# Altium PCB Main.PcbDoc (part 2 of 5)
Units mm, origin at the board's own origin, x right, y up, seen from the top; angles counter-clockwise.
Board outline 150.25 x 70.25 mm, 2 copper layers (Top Layer, Bottom Layer); 122 components, 135 nets, 595 pads, 384 vias.
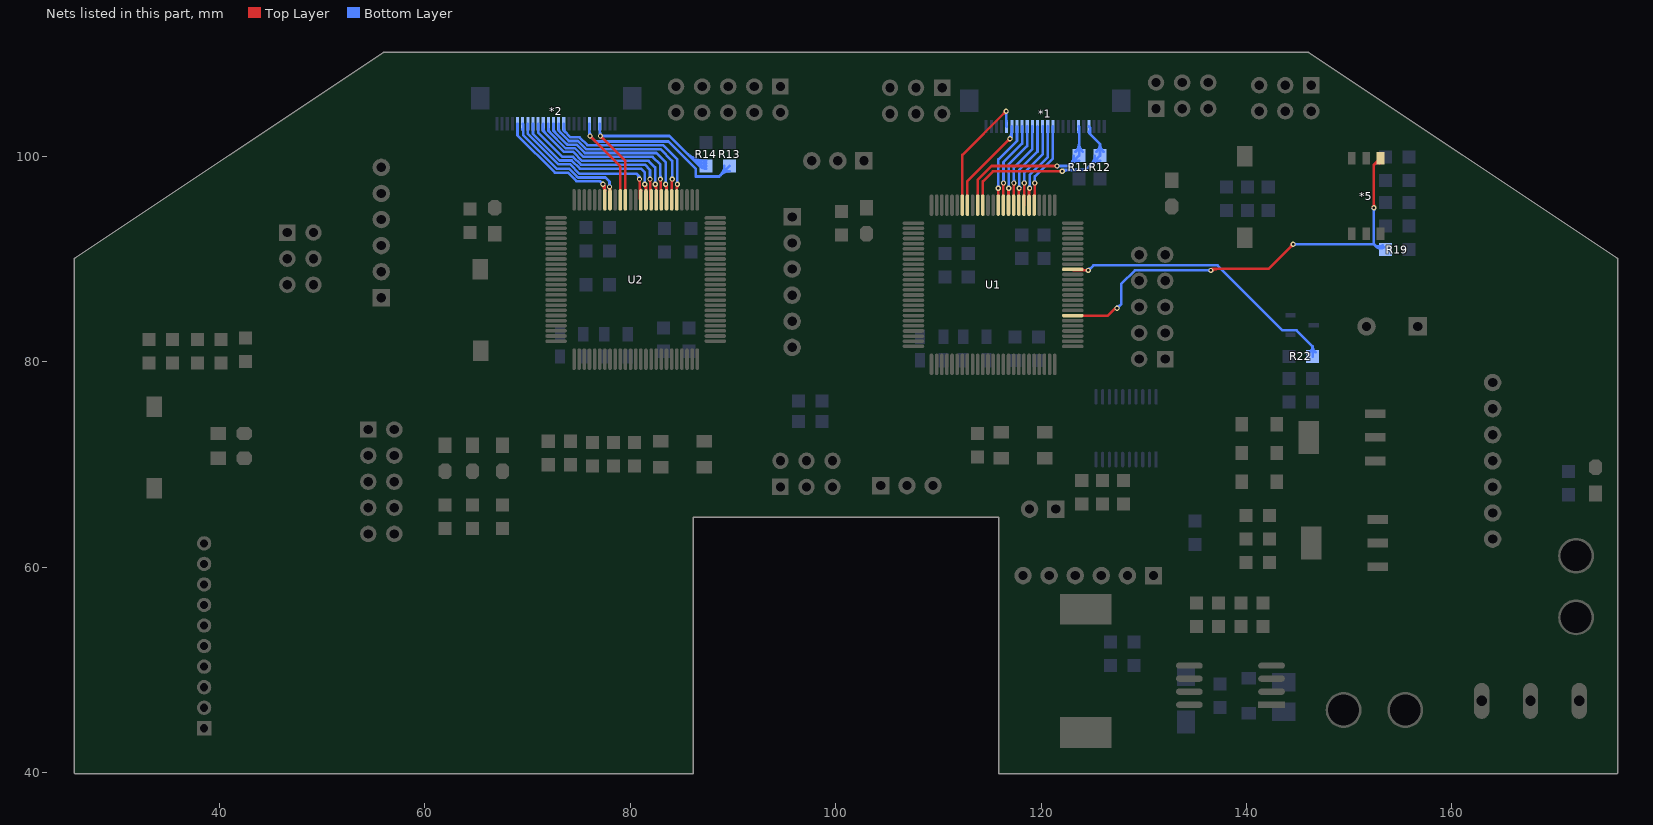
[diagram p2: the nets of this part, all layers, seen from the top]

## Via types
v1: diameter 0.508, hole 0.254, Top Layer to Bottom Layer, tented both sides, 206 vias
v2: diameter 0.508, hole 0.381, Top Layer to Bottom Layer, tented both sides, 164 vias
v3: diameter 0.762, hole 0.508, Top Layer to Bottom Layer, tented both sides, 11 vias
v4: diameter 4.5, hole 4, Top Layer to Bottom Layer, tented both sides, 3 vias

## Nets (pads, with @x,y where several pads share a name; then routed paths per layer and width w, separated by ;. In a path a pad name is that pad's centre, name@x,y a point inside that pad or via, vN(x,y) a via of type N, cw(c..) or ccw(c..) an arc to the next point about the centre after c; other vN are vias at no path point) (continued)
BUZ_A: R22.1 U1.66 | length 30.9
  Top Layer w0.254: U1.66@123.074,89.003 123.172,88.905 124.116,88.905 ; U1.66@123.956,88.955 cw(c123.982,88.762) 124.121,88.9 ; U1.66@123.957,88.956 cw(c123.987,88.777) 124.116,88.905 ; U1.66@123.983,89.037 ccw(c124.314,89.368) 124.314,88.9 ; v1@124.497,88.81 ccw(c124.28,88.593) 124.28,88.9 ccw(c124.28,89.207) v1@124.497,88.99 ; v1(124.587,88.9) 124.121,88.9 ; 124.116,88.905 124.121,88.9
  Bottom Layer w0.254: v1(124.587,88.9) 125.084,89.397 137.171,89.397 143.5,83.068 144.866,83.068 146.431,81.503 ; v1@124.587,89.027 ccw(c124.587,89.334) 124.804,89.117 ccw(c125.021,88.9) v1@124.714,88.9 ; R22.1@146.136,80.932 ccw(c145.73,81.503) 146.431,81.503 ; R22.1@146.431,80.518 146.431,81.503 ; R22.1@146.726,80.932 cw(c147.132,81.503) 146.431,81.503
CAM_A_D0: *1.14 U1.80 | length 9.6
  Top Layer w0.254: U1.80@119.288,96.164 ccw(c119.065,96.387) 119.38,96.387 ; v1@119.29,97.319 cw(c119.073,97.102) 119.38,97.102 cw(c119.687,97.102) v1@119.47,97.319 ; U1.80@119.322,95.255 119.38,95.314 v1(119.38,97.409)
  Bottom Layer w0.254: v1@119.29,97.499 ccw(c119.073,97.716) 119.38,97.716 ccw(c119.687,97.716) v1@119.47,97.499 ; v1(119.38,97.409) 119.38,98.044 121.146,99.81 *1.14@121.146,102.913
CAM_A_D1: *1.13 U1.81 | length 9.3
  Top Layer w0.254: U1.81@118.822,95.255 118.822,96.851 v1(118.872,96.901) ; 118.822,96.473 cw(c119.3,96.473) v1@118.962,96.811
  Bottom Layer w0.254: v1@118.782,96.991 ccw(c118.565,97.208) 118.872,97.208 ccw(c119.179,97.208) v1@118.962,96.991 ; v1(118.872,96.901) 118.872,98.171 120.646,99.945 *1.13@120.646,102.913
CAM_A_D2: *1.12 U1.82 | length 9.2
  Top Layer w0.254: U1.82@118.322,95.255 118.337,95.271 118.337,97.382 v1(118.364,97.409) ; 118.337,97.037 cw(c118.736,97.037) v1@118.454,97.319
  Bottom Layer w0.254: v1@118.274,97.499 ccw(c118.057,97.716) 118.364,97.716 ccw(c118.671,97.716) v1@118.454,97.499 ; v1(118.364,97.409) 118.364,98.425 120.146,100.207 *1.12@120.146,102.913
CAM_A_D3: *1.11 U1.83 | length 9.2
  Top Layer w0.254: U1.83@117.822,95.255 117.822,96.867 v1(117.856,96.901) ; 117.822,96.511 cw(c118.246,96.511) v1@117.946,96.811
  Bottom Layer w0.254: v1@117.766,96.991 ccw(c117.549,97.208) 117.856,97.208 ccw(c118.163,97.208) v1@117.946,96.991 ; v1(117.856,96.901) 117.856,98.679 119.646,100.469 *1.11@119.646,102.913
CAM_A_D4: *1.10 U1.84 | length 9.2
  Top Layer w0.254: U1.84@117.322,95.255 117.322,97.383 v1(117.348,97.409) ; 117.322,97.039 cw(c117.718,97.039) v1@117.438,97.319
  Bottom Layer w0.254: v1@117.258,97.499 ccw(c117.041,97.716) 117.348,97.716 ccw(c117.655,97.716) v1@117.438,97.499 ; v1(117.348,97.409) 117.348,98.933 119.146,100.731 *1.10@119.146,102.913
CAM_A_D5: *1.9 U1.85 | length 9.4
  Top Layer w0.254: v1@116.75,96.811 cw(c116.578,96.639) 116.822,96.639 ; U1.85@116.822,95.255 116.822,96.883 v1(116.84,96.901) ; 116.822,96.55 cw(c117.191,96.55) v1@116.93,96.811
  Bottom Layer w0.254: v1@116.75,96.991 ccw(c116.533,97.208) 116.84,97.208 ccw(c117.147,97.208) v1@116.93,96.991 ; v1(116.84,96.901) 116.84,99.187 118.646,100.993 *1.9@118.646,102.913
CAM_A_D6: *1.8 U1.86 | length 9.4
  Top Layer w0.254: v1@116.242,97.319 cw(c116.05,97.127) 116.322,97.127 ; U1.86@116.322,95.255 116.322,97.399 v1(116.332,97.409) ; 116.322,97.077 cw(c116.664,97.077) v1@116.422,97.319
  Bottom Layer w0.254: v1@116.242,97.499 ccw(c116.025,97.716) 116.332,97.716 ccw(c116.639,97.716) v1@116.422,97.499 ; v1(116.332,97.409) 116.332,99.441 118.146,101.255 *1.8@118.146,102.913
CAM_A_D7: *1.7 U1.87 | length 9.4
  Top Layer w0.254: v1@115.734,96.811 cw(c115.523,96.6) 115.822,96.6 ; U1.87@115.822,95.255 115.822,96.899 v1(115.824,96.901) ; 115.822,96.589 cw(c116.136,96.589) v1@115.914,96.811
  Bottom Layer w0.254: v1@115.734,96.991 ccw(c115.517,97.208) 115.824,97.208 ccw(c116.131,97.208) v1@115.914,96.991 ; v1(115.824,96.901) 115.824,99.695 117.646,101.517 *1.7@117.646,102.913
CAM_B_D0: *2.14 U2.80 | length 18.1
  Top Layer w0.254: U2.80@84.524,95.763 84.524,97.224 v1(84.582,97.282) ; 84.524,96.834 cw(c85.03,96.834) v1@84.672,97.192
  Bottom Layer w0.254: *2.14@73.521,103.167 73.521,102.501 74.168,101.854 75.057,101.854 75.819,101.092 83.185,101.092 84.582,99.695 v1(84.582,97.282) ; *2.14@73.544,102.667 ccw(c74,102.667) 73.678,102.344 ; v1@84.492,97.372 ccw(c84.275,97.589) 84.582,97.589 ccw(c84.889,97.589) v1@84.672,97.372
CAM_B_D1: *2.13 U2.81 | length 18
  Top Layer w0.254: U2.81@84.024,95.763 84.024,97.74 v1(84.074,97.79) ; 84.024,97.362 cw(c84.502,97.362) v1@84.164,97.7
  Bottom Layer w0.254: *2.13@73.021,103.167 73.021,102.5 74.021,101.5 74.903,101.5 75.692,100.711 82.931,100.711 84.074,99.568 v1(84.074,97.79) ; *2.13@73.044,102.667 ccw(c73.502,102.667) 73.178,102.343 ; v1@83.984,97.88 ccw(c83.767,98.097) 84.074,98.097 ccw(c84.381,98.097) v1@84.164,97.88
CAM_B_D2: *2.12 U2.82 | length 17.9
  Top Layer w0.254: v1@83.349,97.192 cw(c82.928,96.771) U2.82@83.524,96.771 ; v1(83.439,97.282) 83.524,97.197 U2.82@83.524,95.763
  Bottom Layer w0.254: *2.12@72.521,103.167 72.521,102.485 73.787,101.219 73.802,101.219 73.875,101.146 74.749,101.146 75.565,100.33 82.55,100.33 83.439,99.441 v1(83.439,97.282) ; *2.12@72.544,102.667 ccw(c73.039,102.667) 72.689,102.317 ; v1@83.349,97.372 ccw(c83.132,97.589) 83.439,97.589 ccw(c83.746,97.589) v1@83.529,97.372
CAM_B_D3: *2.11 U2.83 | length 18.1
  Top Layer w0.254: v1@82.841,97.7 cw(c82.559,97.418) 82.958,97.418 ; v1(82.931,97.79) 82.804,97.79 82.958,97.636 82.958,95.829 U2.83@83.024,95.763 ; 82.958,96.913 ccw(c83.298,96.913) U2.83@83.058,96.672
  Bottom Layer w0.254: *2.11@72.021,103.167 72.021,102.484 73.713,100.792 74.595,100.792 75.438,99.949 82.169,99.949 82.931,99.187 v1(82.931,97.79) ; *2.11@72.044,102.667 ccw(c72.54,102.667) 72.189,102.316 ; v1@82.841,97.88 ccw(c82.624,98.097) 82.931,98.097 ccw(c83.238,98.097) v1@83.021,97.88
CAM_B_D4: *2.10 U2.84 | length 17.7
  Top Layer w0.254: v1@82.333,97.192 cw(c81.874,96.733) U2.84@82.524,96.733 ; v1(82.423,97.282) 82.524,97.181 U2.84@82.524,95.763
  Bottom Layer w0.254: *2.10@71.521,103.167 71.498,103.144 71.498,102.492 73.552,100.438 74.448,100.438 75.318,99.568 81.788,99.568 82.423,98.933 v1(82.423,97.282) ; *2.10@71.544,102.667 ccw(c72.078,102.667) 71.7,102.29 ; v1@82.333,97.372 ccw(c82.116,97.589) 82.423,97.589 ccw(c82.73,97.589) v1@82.513,97.372
CAM_B_D5: *2.9 U2.85 | length 17.3
  Top Layer w0.254: v1@81.825,97.7 cw(c81.543,97.418) 81.942,97.418 ; v1(81.915,97.79) 81.942,97.763 81.942,95.845 U2.85@82.024,95.763 ; 81.942,96.951 ccw(c82.336,96.951) U2.85@82.058,96.672
  Bottom Layer w0.254: *2.9@71.021,103.167 71.021,102.334 73.406,99.949 74.437,99.949 75.199,99.187 81.407,99.187 81.915,98.679 v1(81.915,97.79) ; v1@81.825,97.88 ccw(c81.608,98.097) 81.915,98.097 ccw(c82.222,98.097) v1@82.005,97.88
CAM_B_D6: *2.8 U2.86 | length 17.2
  Top Layer w0.254: v1@81.317,97.192 cw(c80.819,96.694) U2.86@81.524,96.694 ; v1(81.407,97.282) 81.524,97.165 U2.86@81.524,95.763
  Bottom Layer w0.254: *2.8@70.521,103.167 70.521,102.199 73.125,99.595 74.29,99.595 75.079,98.806 81.026,98.806 81.407,98.425 v1(81.407,97.282) ; v1@81.317,97.372 ccw(c81.1,97.589) 81.407,97.589 ccw(c81.714,97.589) v1@81.497,97.372
CAM_B_D7: *2.7 U2.87 | length 17.1
  Top Layer w0.254: v1@80.809,97.7 cw(c80.527,97.418) 80.926,97.418 ; v1(80.899,97.79) 80.926,97.763 80.926,95.861 U2.87@81.024,95.763 ; 80.926,96.99 ccw(c81.375,96.99) U2.87@81.058,96.672
  Bottom Layer w0.254: *2.7@70.021,103.167 70.021,102.191 72.971,99.241 74.114,99.241 75.057,98.298 80.645,98.298 ; v1@80.776,97.821 ccw(c80.292,97.945) 80.645,98.298 ; v1(80.899,97.79) 80.899,98.044 80.645,98.298
CAM_PCL_A: *1.21 R12.2 U1.90 | length 23.6
  Top Layer w0.254: U1.90@114.322,95.255 114.322,97.558 115.316,98.552 v1(122.047,98.552) ; v1@121.957,98.462 ccw(c121.74,98.245) 121.74,98.552 ccw(c121.74,98.859) v1@121.957,98.642
  Bottom Layer w0.254: v1(122.047,98.552) 122.174,98.679 124.333,98.679 R12.2@125.73,100.076 125.73,101.208 ; v1@122.137,98.462 cw(c122.66,97.939) 122.66,98.679 ; *1.21@124.633,102.394 cw(c124.463,102.14) 124.769,102.14 ; *1.21@124.646,102.913 124.769,102.79 124.769,102.169 ; 124.771,102.167 cw(c125.017,102.413) 124.669,102.413 ccw(c125.01,102.41) 124.769,102.169 ; R12.2@125.222,100.076 cw(c123.996,100.076) 124.863,99.209 cw(c125.73,98.342) R12.2@125.73,99.568 ; R12.2@125.392,100.456 ccw(c124.723,101.208) 125.73,101.208 ; R12.2@126.068,100.456 cw(c126.737,101.208) 125.73,101.208 ; 124.769,102.169 125.73,101.208
CAM_PCL_B: *2.21 R14.2 U2.90 | length 27.1
  Top Layer w0.254: v1@77.089,101.854 cw(c77.089,101.547) 77.306,101.764 cw(c77.523,101.981) v1@77.216,101.981 ; v1(77.089,101.981) 79.524,99.546 U2.90@79.524,95.763
  Bottom Layer w0.254: 77.021,102.452 ccw(c77.56,102.452) 77.179,102.071 ccw(c77.396,102.288) 77.396,101.981 ccw(c77.396,101.674) v1@77.179,101.891 ; *2.21@77.021,103.167 77.021,102.049 v1(77.089,101.981) 83.82,101.981 86.741,99.06 R14.2@87.376,99.06 cw(c87.376,100.593) 86.292,99.509 ; 85.425,100.376 ccw(c87.376,102.327) R14.2@87.376,99.568 ; 85.858,99.943 ccw(c87.376,101.46) R14.2@87.376,99.314 ; 86.726,99.075 ccw(c87.376,99.726) R14.2@87.376,98.806
CAM_SCL_A: *1.6 U1.93 | length 10.7
  Top Layer w0.254: U1.93@112.822,95.255 112.822,97.582 v1(116.967,101.727) ; v1@116.84,101.727 cw(c116.533,101.727) 116.75,101.51 cw(c116.967,101.293) v1@116.967,101.6
  Bottom Layer w0.254: v1@116.877,101.817 ccw(c116.228,102.466) *1.6@117.146,102.466 ; v1(116.967,101.727) 117.146,101.906 *1.6@117.146,102.913
CAM_SCL_B: *2.6 U2.93 | length 14.2
  Top Layer w0.254: v1@77.888,96.938 cw(c77.561,96.611) U2.93@78.024,96.611 ; v1(77.978,97.028) 78.024,96.982 U2.93@78.024,95.763
  Bottom Layer w0.254: *2.6@69.505,102.651 cw(c69.35,102.496) 69.569,102.496 ; *2.6@69.521,103.167 69.569,103.119 69.569,102.061 72.824,98.806 74.041,98.806 74.803,98.044 74.81,98.044 74.91,97.944 77.57,97.944 77.978,97.536 v1(77.978,97.028) ; v1@77.888,97.118 ccw(c77.671,97.335) 77.978,97.335 ccw(c78.285,97.335) v1@78.068,97.118
CAM_SDA_A: *1.5 U1.94 | length 13.6
  Top Layer w0.254: U1.94@112.322,95.255 112.322,100.13 v1(116.586,104.394) ; v1@116.459,104.394 cw(c116.152,104.394) 116.369,104.177 cw(c116.586,103.96) v1@116.586,104.267
  Bottom Layer w0.254: v1@116.496,104.304 cw(c116.279,104.087) 116.586,104.087 cw(c116.893,104.087) v1@116.676,104.304 ; 116.586,103.613 ccw(c116.846,103.613) *1.5@116.662,103.429 ; v1(116.586,104.394) 116.586,102.973 *1.5@116.646,102.913
CAM_SDA_B: *2.5 U2.94 | length 14.3
  Top Layer w0.254: v1@77.253,97.192 cw(c76.665,96.604) U2.94@77.497,96.604 ; v1(77.343,97.282) 77.497,97.128 77.497,95.79 U2.94@77.524,95.763 ; 77.497,96.819 ccw(c77.704,96.819) U2.94@77.558,96.672
  Bottom Layer w0.254: *2.5@69.021,103.167 69.021,102.048 72.644,98.425 73.921,98.425 74.756,97.59 77.035,97.59 v1(77.343,97.282) ; v1@77.216,97.282 ccw(c76.909,97.282) 77.126,97.499 ccw(c77.343,97.716) v1@77.343,97.409
CAM_VS_A: *1.19 R11.2 U1.91 | length 21.2
  Top Layer w0.254: U1.91@113.822,95.255 113.822,97.693 115.189,99.06 v1(121.539,99.06) ; v1@121.449,98.97 ccw(c121.232,98.753) 121.232,99.06 ccw(c121.232,99.367) v1@121.449,99.15
  Bottom Layer w0.254: v1(121.539,99.06) 122.682,99.06 R11.2@123.698,100.076 123.698,102.861 *1.19@123.646,102.913 ; v1@121.629,98.97 cw(c121.846,98.753) 121.846,99.06 cw(c121.846,99.367) v1@121.629,99.15 ; R11.2@123.19,100.076 cw(c121.964,100.076) 122.831,99.209 cw(c123.698,98.342) R11.2@123.698,99.568 ; R11.2@123.339,100.435 ccw(c122.472,101.302) 123.698,101.302 ccw(c124.924,101.302) R11.2@124.057,100.435 ; *1.19@123.63,102.397 cw(c123.465,102.232) 123.698,102.232
CAM_VS_B: *2.19 R13.2 U2.91 | length 28
  Top Layer w0.254: v1@76.073,101.854 cw(c76.073,101.547) 76.29,101.764 cw(c76.507,101.981) v1@76.2,101.981 ; v1(76.073,101.981) 79.024,99.03 U2.91@79.024,95.763
  Bottom Layer w0.254: 76.021,102.413 ccw(c76.505,102.413) v1@76.163,102.071 ; *2.19@76.021,103.167 76.021,102.033 v1(76.073,101.981) 76.608,101.446 83.72,101.446 86.36,98.806 86.36,98.044 88.646,98.044 R13.2@89.662,99.06 ; v1@76.073,101.854 cw(c76.073,101.547) 76.29,101.764 cw(c76.507,101.981) v1@76.2,101.981 ; R13.2@89.154,99.06 cw(c87.928,99.06) 88.795,98.193 cw(c89.662,97.326) R13.2@89.662,98.552
D: *5.1 R19.2 U1.57 | length 48.3
  Top Layer w0.254: U1.57@123.074,84.503 123.095,84.482 126.481,84.482 127.216,85.217 v1(127.381,85.217) ; v1(136.525,88.9) 136.668,89.043 142.129,89.043 v1(144.526,91.44) ; v1@136.615,88.81 cw(c137.177,88.248) 137.177,89.043 ; v1@144.399,91.44 cw(c144.092,91.44) 144.309,91.223 cw(c144.526,91.006) v1@144.526,91.313 ; v1@152.31,95.086 ccw(c152.093,95.303) 152.4,95.303 ccw(c152.707,95.303) v1@152.49,95.086 ; v1(152.4,94.996) 152.4,99.187 ; *5.1@152.98,99.355 ccw(c152.843,98.744) 152.4,99.187 ; *5.1@153.035,99.822 152.4,99.187
  Bottom Layer w0.254: v1(127.381,85.217) 127.805,85.641 127.805,87.601 129.115,88.911 136.514,88.911 v1(136.525,88.9) ; v1@127.381,85.344 ccw(c127.381,85.651) 127.598,85.434 ccw(c127.815,85.217) v1@127.508,85.217 ; 136.192,88.911 cw(c136.192,88.567) v1@136.435,88.81 ; 136.245,88.911 ccw(c136.245,89.18) v1@136.435,88.99 ; v1(144.526,91.44) 152.4,91.44 ; v1@144.616,91.35 cw(c144.833,91.133) 144.833,91.44 cw(c144.833,91.747) v1@144.616,91.53 ; v1@152.31,94.906 cw(c152.093,94.689) 152.4,94.689 cw(c152.707,94.689) v1@152.49,94.906 ; v1(152.4,94.996) 152.4,91.472 152.539,91.333 ; 152.523,91.317 152.4,91.44 ; 152.619,91.221 ccw(c153.058,91.66) R19.2@153.402,91.143 ; R19.2@153.261,91.355 cw(c152.883,91.923) 152.4,91.44